# KiCad board Mainboard.kicad_pcb
title: EconoPET 40/8096; date: 2023-10-01; rev: A
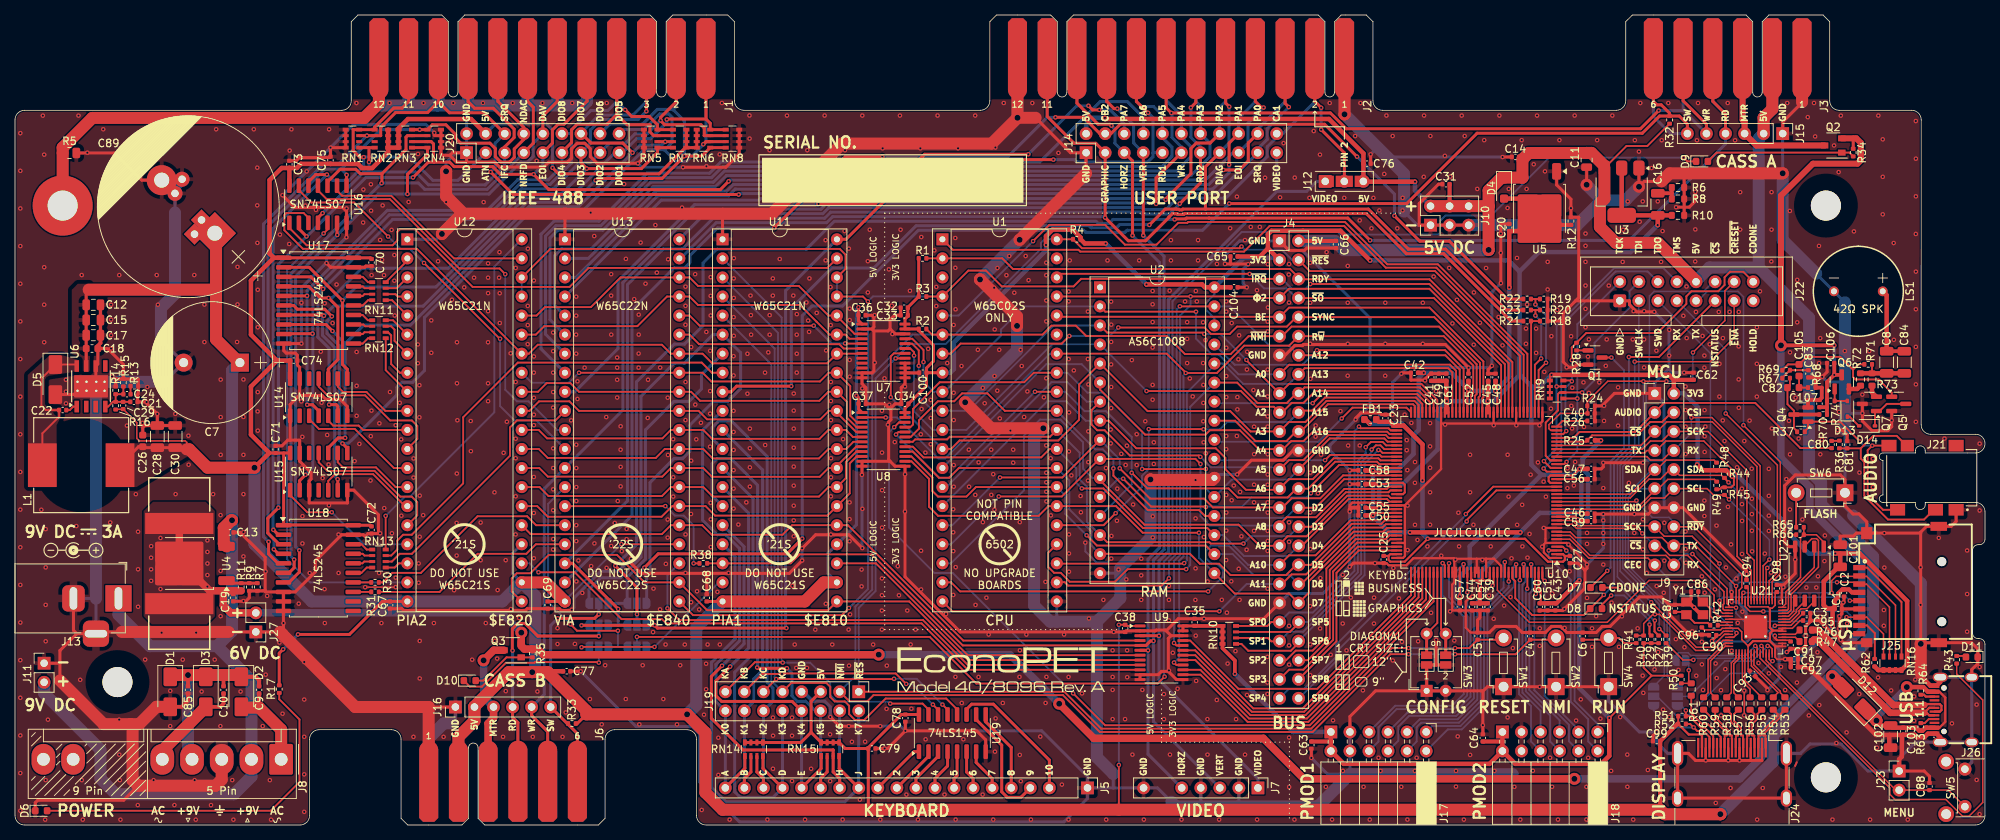
[diagram p0: board, top side]
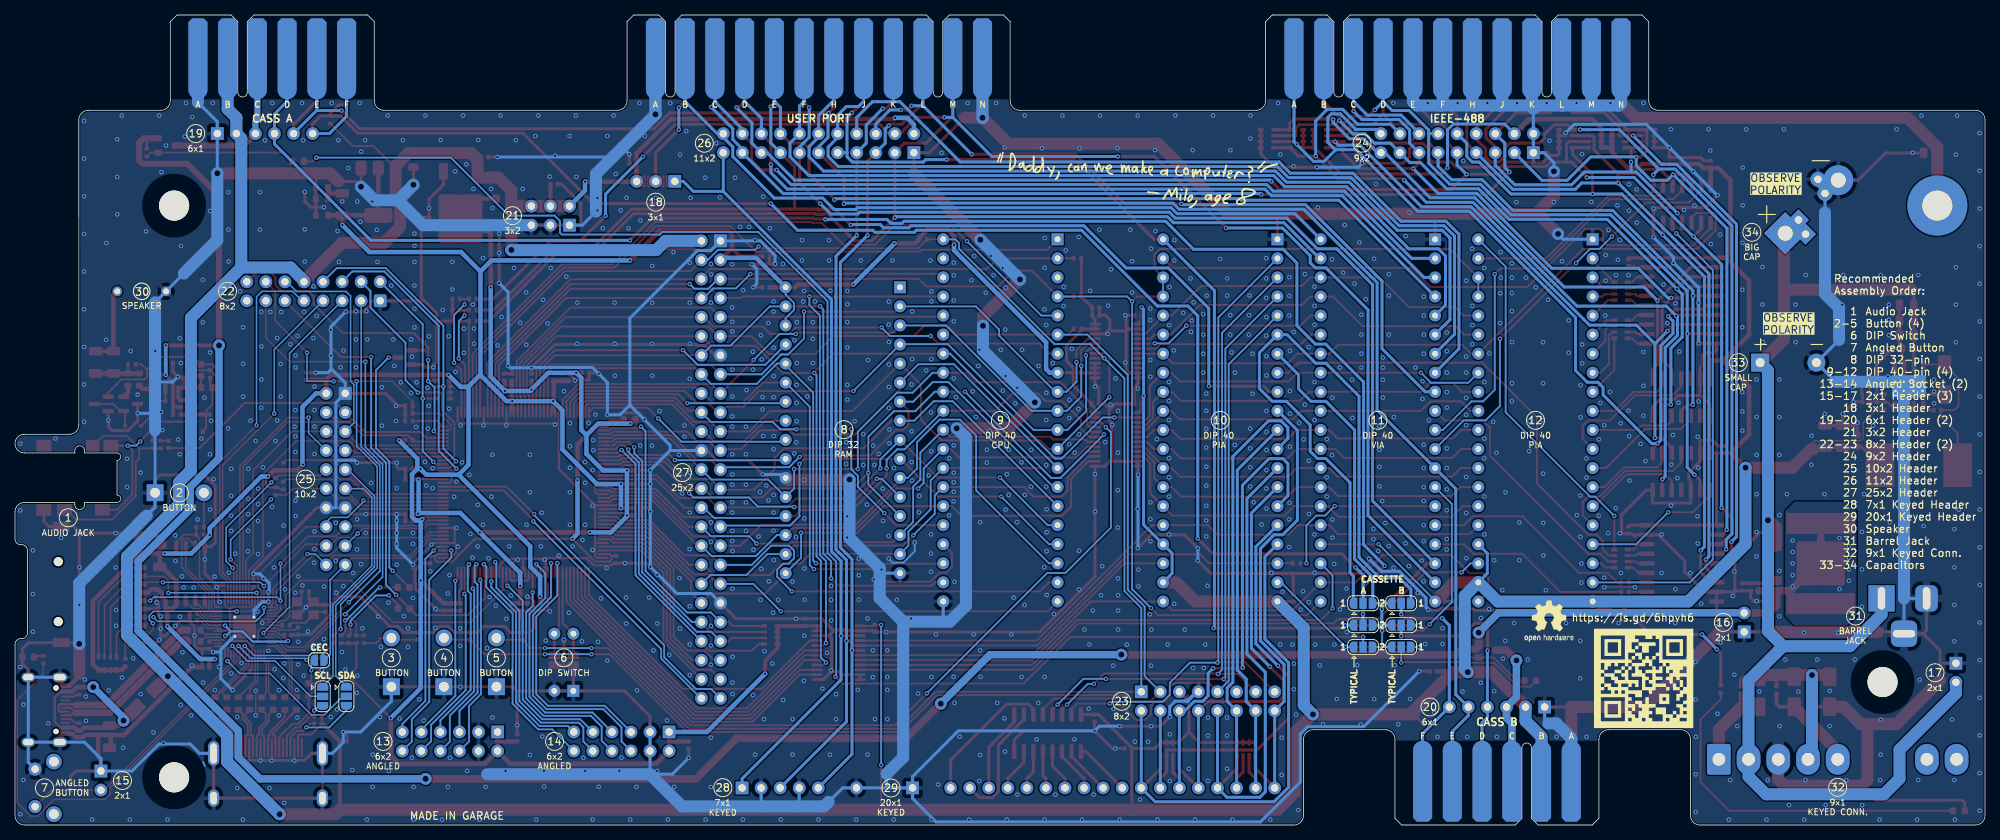
[diagram p1: board, bottom side, seen from below]

Outline 262.5 x 107.95 mm; copper layers: Top, Bottom. Coordinates in mm from the lower left corner of the outline.
Outline path: 50.17,12.7 40.52,12.7 arc(39.62,12.33) 39.25,11.43 39.25,1.27 arc(38.88,0.37) 37.98,0 1.27,0 arc(0.37,0.37) 0,1.27 0,93.98 arc(0.37,94.88) 1.27,95.25 43.54,95.25 ; 79.89,12.7 89.54,12.7 arc(90.44,12.33) 90.81,11.42 90.81,1.26 arc(91.18,0.37) 92.08,0 261.24,0 arc(262.13,0.37) 262.5,1.27 262.5,24.08 arc(262.28,24.61) 261.75,24.84 261.6,24.84 arc(261.06,25.06) 260.84,25.6 260.84,36.6 arc(261.06,37.13) 261.6,37.36 261.74,37.36 arc(262.28,37.58) 262.5,38.12 262.5,41.73 arc(262.13,42.62) 261.25,42.98 260.15,42.98 ; 128.63,95.25 97.13,95.25 ; 213.36,95.25 182.22,95.25 ; 243.08,95.25 252.73,95.25 arc(253.63,94.88) 254,93.98 253.99,53.34 arc(254.36,52.44) 255.26,52.07 261.26,52.07 arc(262.5,50.83) 261.26,49.58 260.15,49.58
Stack: Top 0.035mm / dielectric 0.48mm FR4 er 4.5 / Bottom 0.035mm

## Placement (name value [footprint] x y rotation side)
C1  100n  [C_0402_1005Metric]  242.95 28.8 0 top
C2  100n  [C_0402_1005Metric]  243.72 30.92 270 top
C3  100n  [C_0402_1005Metric]  238.74 28.22 0 top
C4  DNP  [C_0402_1005Metric]  201.89 25.17 90 top  (not fitted)
C5  DNP  [C_0402_1005Metric]  194.89 25.17 90 top  (not fitted)
C6  DNP  [C_0402_1005Metric]  208.89 25.17 90 top  (not fitted)
C7  11000u  [CP_Radial_D16.0mm_P7.50mm]  29.97 61.62 180 top  (not fitted)
C8  47u 10V  [C_1206_3216Metric]  249.39 61.67 90 top
C9  22n  [C_0402_1005Metric]  32.52 18.01 90 top
C10  22n  [C_0402_1005Metric]  27.79 18.01 270 top
C11  22u  [C_0805_2012Metric]  209.42 88.62 270 top
C12  22u  [C_0805_2012Metric]  10.44 69.33 0 top
C13  100n  [C_0402_1005Metric]  28.65 39 0 top
C14  100n  [C_0402_1005Metric]  199.93 89.03 0 top
C15  22u  [C_0805_2012Metric]  10.44 67.3 0 top
C16  47u 10V  [C_1206_3216Metric]  218.9 82.72 90 top
C17  22u  [C_0805_2012Metric]  10.44 65.28 0 top
C18  10u  [C_0603_1608Metric]  10.26 63.5 0 top
C19  1u  [C_0402_1005Metric]  29.09 30.29 270 top
C20  1u  [C_0402_1005Metric]  199.11 79.62 90 top
C21  150p  [C_0402_1005Metric]  15.84 56.39 180 top
C22  10n  [C_0402_1005Metric]  6.35 55.3 180 top
C23  4u7 10V  [C_0402_1005Metric]  182.6 54.21 90 top
C24  220n 16V  [C_0402_1005Metric]  14.92 57.42 180 top
C25  100n  [C_0402_1005Metric]  182.38 35.38 270 top
C26  10u  [C_0603_1608Metric]  17.02 51.19 270 top
C27  100n  [C_0402_1005Metric]  207.19 35.37 270 top
C28  47u 10V  [C_1206_3216Metric]  18.97 51.76 270 top
C29  1n  [C_0402_1005Metric]  14.41 55.91 90 top
C30  47u 10V  [C_1206_3216Metric]  21.34 51.77 270 top
C31  4u7 10V  [C_0402_1005Metric]  190.68 85.4 180 top
C32  4u7 10V  [C_0402_1005Metric]  118.49 68.94 180 top
C33  100n  [C_0402_1005Metric]  118.49 67.93 180 top
C34  100n  [C_0402_1005Metric]  118.57 56.13 180 top
C35  100n  [C_0402_1005Metric]  157.19 27.01 90 top
C36  100n  [C_0402_1005Metric]  112.87 67.93 0 top
C37  100n  [C_0402_1005Metric]  112.89 56.13 0 top
C38  100n  [C_0402_1005Metric]  147.93 26.21 270 top
C39  1u  [C_0402_1005Metric]  196.23 29.07 270 top
C40  100n  [C_0402_1005Metric]  210.02 54.85 0 top
C41  1u  [C_0402_1005Metric]  188.72 59.67 90 top
C42  1u  [C_0402_1005Metric]  186.48 60.26 180 top
C43  1u  [C_0402_1005Metric]  205.25 29.07 270 top
C44  100n  [C_0402_1005Metric]  194.16 29.07 270 top
C45  100n  [C_0402_1005Metric]  196.3 59.67 90 top
C46  100n  [C_0402_1005Metric]  210.02 41.48 0 top
C47  100n  [C_0402_1005Metric]  210.02 47.46 0 top
C48  100n  [C_0402_1005Metric]  197.28 59.67 90 top
C49  100n  [C_0402_1005Metric]  189.72 59.67 90 top
C50  100n  [C_0402_1005Metric]  179.48 41.27 180 top
C51  100n  [C_0402_1005Metric]  204.21 29.07 270 top
C52  100n  [C_0402_1005Metric]  193.67 59.67 90 top
C53  100n  [C_0402_1005Metric]  179.48 45.43 180 top
C54  10n  [C_0402_1005Metric]  195.19 29.07 270 top
C55  100n  [C_0402_1005Metric]  179.48 42.29 180 top
C56  10n  [C_0402_1005Metric]  210.02 46.09 0 top
C57  100n  [C_0402_1005Metric]  192.52 29.07 270 top
C58  10n  [C_0402_1005Metric]  179.48 47.27 180 top
C59  100n  [C_0402_1005Metric]  210.02 40.5 0 top
C60  10n  [C_0402_1005Metric]  203.17 29.07 270 top
C61  10n  [C_0402_1005Metric]  190.72 59.67 90 top
C62  4u7 10V  [C_0402_1005Metric]  223.66 59.81 90 top
C63  4u7 10V  [C_0402_1005Metric]  172.74 10.65 270 top
C64  4u7 10V  [C_0402_1005Metric]  195.59 11.61 90 top
C65  4u7 10V  [C_0402_1005Metric]  162.44 75.77 180 top
C66  4u7 10V  [C_0402_1005Metric]  176.01 77.37 270 top
C67  100n  [C_0402_1005Metric]  49.98 29.31 270 top
C68  100n  [C_0402_1005Metric]  92.18 30.27 90 top
C69  100n  [C_0402_1005Metric]  70.98 29.31 270 top
C70  100n  [C_0402_1005Metric]  47.51 74.96 270 top
C71  100n  [C_0402_1005Metric]  34.73 50.06 90 top
C72  100n  [C_0402_1005Metric]  47.51 39.32 270 top
C73  100n  [C_0402_1005Metric]  36.56 88.04 90 top
C74  100n  [C_0402_1005Metric]  37.14 61.89 0 top
C75  4u7 10V  [C_0402_1005Metric]  42.04 88.59 90 top
C76  4u7 10V  [C_0402_1005Metric]  180.16 88.14 0 top
C77  4u7 10V  [C_0402_1005Metric]  73.51 20.49 0 top
C78  100n  [C_0402_1005Metric]  118.64 14.24 270 top
C79  4u7 10V  [C_0402_1005Metric]  114.18 10.2 0 top
C80  1u  [C_0402_1005Metric]  242.06 50.71 90 top
C81  22n  [C_0402_1005Metric]  244.14 50.68 90 top
C82  68n  [C_0603_1608Metric]  236.95 58.29 0 top
C83  100n  [C_0402_1005Metric]  238.98 60.13 270 top
C84  47u 10V  [C_1206_3216Metric]  251.76 61.67 90 top
C85  22n  [C_0402_1005Metric]  23.05 18.01 90 top
C86  33p  [C_0402_1005Metric]  223.82 31.1 0 top
C87  33p  [C_0402_1005Metric]  221.19 28.87 270 top
C88  2u2 6.3V  [C_0402_1005Metric]  255.11 5.13 90 top
C89  330uF  [CP_Radial_D24.0mm_P5.00mm_P7.50mm_P10.00mm_SnapIn]  26.62 78.87 135 top
C90  100n  [C_0402_1005Metric]  226.21 25.29 180 top
C91  2u2 6.3V  [C_0402_1005Metric]  236.6 23.97 270 top
C92  2u2 6.3V  [C_0402_1005Metric]  237.09 21.05 0 top
C93  100n  [C_0402_1005Metric]  231.52 20.18 315 top
C94  100n  [C_0402_1005Metric]  230.72 32.18 90 top
C95  100n  [C_0402_1005Metric]  238.74 27.25 0 top
C96  100n  [C_0402_1005Metric]  224.77 25.85 270 top
C97  100n  [C_0402_1005Metric]  237.09 22.1 0 top
C98  100n  [C_0402_1005Metric]  234.77 31.52 90 top
C99  4u7 10V  [C_0402_1005Metric]  218.74 11.18 180 top
C100  100n  [C_0402_1005Metric]  120.97 60.28 180 top
C101  47u 10V  [C_1206_3216Metric]  243.21 35.87 90 top
C102  47u 10V  [C_1206_3216Metric]  249.93 11.78 270 top
C103  1u  [C_0402_1005Metric]  251.59 12.49 270 top
C104  100n  [C_0402_1005Metric]  162.44 71.66 0 top
C105  47n  [C_0603_1608Metric]  237.73 60.61 270 top
C106  100n  [C_0402_1005Metric]  241.94 61.55 180 top
C107  100n  [C_0402_1005Metric]  240.45 56.16 90 top
D1  SS54  [D_SMA]  20.69 17.75 270 top
D2  SS54  [D_SMA]  30.16 17.75 270 top
D3  SS54  [D_SMA]  25.42 17.75 270 top
D4  SM4007  [D_SOD-123F]  198.42 84.88 270 top
D5  SS54  [D_SMA]  5.38 59.37 270 top
D6  LED_RED  [LED_0603_1608Metric]  3.49 1.9 0 top
D7  LED_GRN  [LED_0603_1608Metric]  210.73 31.64 0 top
D8  LED_RED  [LED_0603_1608Metric]  210.68 28.84 0 top
D9  LED_RED  [LED_0603_1608Metric]  224.79 88.44 0 top
D10  LED_RED  [LED_0603_1608Metric]  60.6 19.24 0 top
D11  LED_GRN  [LED_0603_1608Metric]  260.75 22.38 180 top
D12  SS54  [D_SMA]  245.08 16.88 135 top
D13  1N4148WS  [D_SOD-323]  244.16 55.46 90 top
D14  1N4148WS  [D_SOD-323]  246.79 53.19 180 top
FB1  600 200ma  [L_0603_1608Metric]  180.6 54.04 180 top
H1  MountingHole_Pad  [MountingHole_4mm_Pad]  6.35 82.55 0 top
H2  MountingHole  [PET_MountingHole_4mm]  241.3 6.35 0 top
H3  MountingHole  [PET_MountingHole_4mm]  241.3 82.55 0 top
H4  MountingHole  [PET_MountingHole_4mm]  13.65 19.05 0 top
HS1  Heatsink_Pad  [V1100SMDBL_or_573100D00000G]  21.89 34.84 90 top  (not fitted)
J1  IEEE_EDGE  [CBM_PET_IEEE_EDGE_CON_24P]  48.49 96.52 0 top
J2  USER_EDGE  [CBM_PET_USER_EDGE_CON_24P]  133.58 96.52 0 top
J3  CASS_A_EDGE  [CBM_PET_CASS_EDGE_CON_12P]  218.31 96.52 0 top
J4  BUS_EXPANSION  [PinHeader_2x25_P2.54mm_Vertical]  168.5 77.85 0 top
J5  KEYBOARD  [CBM_PET_KEYBOARD_KEYED_20P]  142.91 4.94 270 top
J6  CASS_B_EDGE  [CBM_PET_CASS_EDGE_CON_12P]  74.94 11.43 180 top
J7  VIDEO  [PET_Video]  165.62 4.94 270 top
J8  PET POWER  [PET_POWER_Molex_KK-396_A-41791-0009_1x09_P3.96mm_Vertical]  35.47 8.75 180 top
J9  FPGA_MCU  [PinHeader_2x10_P2.54mm_Vertical]  218.5 57.53 0 top
J10  5V PWR  [PinHeader_2x03_P2.54mm_Vertical]  188.62 79.94 90 top
J11  9V POWER  [PinHeader_1x02_P2.54mm_Vertical]  3.88 21.56 0 top
J12  VIDEO_OR_5V  [PinHeader_1x03_P2.54mm_Vertical_or_SolderJumper]  174.59 85.78 90 top
J13  9V POWER JACK  [BarrelJack_Horizontal]  13.79 30.2 0 top
J14  USER_HEADER  [PinHeader_2x11_P2.54mm_Vertical]  142.72 89.6 90 top
J15  CASS_A_HEADER  [PinHeader_1x06_P2.54mm_Vertical]  235.54 92.15 270 top
J16  CASS_B_HEADER  [PinHeader_1x06_P2.54mm_Vertical]  58.68 15.72 90 top
J17  PMOD1  [PMOD_Socket_2x06_P2.54mm_Horizontal]  188.04 12.4 270 top
J18  PMOD2  [PMOD_Socket_2x06_P2.54mm_Horizontal]  210.9 12.4 270 top
J19  KEYBOARD_EX  [PinHeader_2x08_P2.54mm_Vertical]  112.43 17.76 270 top
J20  IEEE_HEADER  [PinHeader_2x09_P2.54mm_Vertical]  60.17 89.6 90 top
J21  AUDIO  [CUI_SJ-43504-SMT-TR]  258.65 42.11 90 top
J22  PROG  [IDC-Header_2x08_P2.54mm_Vertical]  213.84 69.86 90 top
J23  MENU_HDR  [PinHeader_1x02_P2.54mm_Vertical]  251.06 7.19 0 top
J24  NOT_HDMI_A  [HDMI_A_Molex_208658-1001_Horizontal]  228.79 7.02 270 top
J25  MICRO_SD  [TF-SMD_TF-PUSH]  253.24 32.17 90 top
J26  USB1.1_HOST_TYPE_C  [USB-C_SMD-TYPE-C-31-M-12]  259.55 15.37 90 top
J27  6V POWER  [PinHeader_1x02_P2.54mm_Vertical]  32.09 25.73 180 top
JP1  CASS A ~{SWITCH}  [SolderJumper-3_P1.3mm_Open_RoundedPad1.0x1.5mm]  82.87 29.54 180 bottom
JP2  CASS B ~{SWITCH}  [SolderJumper-3_P1.3mm_Open_RoundedPad1.0x1.5mm]  77.79 29.54 180 bottom
JP3  CASS A READ  [SolderJumper-3_P1.3mm_Open_RoundedPad1.0x1.5mm]  82.87 26.63 180 bottom
JP4  CASS B READ  [SolderJumper-3_P1.3mm_Open_RoundedPad1.0x1.5mm]  77.79 26.63 180 bottom
JP5  CASS A ~{MOTOR}  [SolderJumper-3_P1.3mm_Open_RoundedPad1.0x1.5mm]  82.87 23.71 180 bottom
JP6  CASS B ~{MOTOR}  [SolderJumper-3_P1.3mm_Open_RoundedPad1.0x1.5mm]  77.79 23.71 180 bottom
JP7  DVI_CEC  [SolderJumper-2_P1.3mm_Open_RoundedPad1.0x1.5mm]  221.97 21.95 0 bottom
JP8  DVI_SDA  [SolderJumper-3_P1.3mm_Open_RoundedPad1.0x1.5mm]  218.35 17.16 270 bottom
JP9  DVI_SCL  [SolderJumper-3_P1.3mm_Open_RoundedPad1.0x1.5mm]  221.51 17.15 270 bottom
L1  22uH  [IND-SMD_L12.5-W12.5]  8.82 47.95 180 top
LS1  42Ω SPK  [AT1220TT9R]  248.87 71.12 270 top
Q1  MMBT3904  [SOT-23]  210.54 62.3 0 top
Q2  AO3401A  [SOT-23_L2.9-W1.3-P1.90-LS2.4-BR]  242.27 90.56 0 top
Q3  AO3401A  [SOT-23_L2.9-W1.3-P1.90-LS2.4-BR]  66.3 23.29 0 top
Q4  SS8050  [SOT-23]  237.97 54.7 180 top
Q5  SS8050  [SOT-23]  251.01 56.12 0 top
Q6  SS8050  [SOT-23]  243.42 59.05 90 top
Q7  SS8550  [SOT-23]  247.1 56.12 180 top
R1  4k7  [R_0402_1005Metric]  120.93 75.52 180 top
R2  4k7  [R_0402_1005Metric]  120.93 66.1 0 top
R3  4k7  [R_0402_1005Metric]  120.93 70.43 0 top
R4  4k7  [R_0402_1005Metric]  141.49 78.06 180 top
R5  68  [R_0805_2012Metric]  7.26 89.56 0 top
R6  0  [R_0603_1608Metric]  221.59 84.96 180 top
R7  1k5  [R_0402_1005Metric]  32.29 31.72 270 top
R8  0  [R_0603_1608Metric]  221.59 83.44 180 top
R9  5k1  [R_0402_1005Metric]  31.22 31.72 270 top
R10  330  [R_0603_1608Metric]  221.59 81.25 0 top
R11  300  [R_0402_1005Metric]  30.14 31.72 90 top
R12  120  [R_0402_1005Metric]  207.33 80.49 90 top
R13  220  [R_0402_1005Metric]  15.91 58.49 0 top
R14  10k  [R_0402_1005Metric]  13.41 57.93 90 top
R15  4k7  [R_0402_1005Metric]  14.44 58.95 90 top
R16  10k  [R_0402_1005Metric]  13.41 55.88 90 top
R17  1k5  [R_0402_1005Metric]  35.21 18.11 270 top
R18  10k  [R_0402_1005Metric]  203.71 67.16 0 top
R19  10k  [R_0402_1005Metric]  203.71 70.1 0 top
R20  10k  [R_0402_1005Metric]  203.71 68.63 0 top
R21  5k6  [R_0402_1005Metric]  201.49 67.16 180 top
R22  5k6  [R_0402_1005Metric]  201.49 70.1 180 top
R23  5k6  [R_0402_1005Metric]  201.49 68.63 180 top
R24  100k  [R_0402_1005Metric]  210.02 55.86 0 top
R25  10k  [R_0402_1005Metric]  210.02 51.28 0 top
R26  12k  [R_0402_1005Metric]  210.02 53.85 180 top
R27  1k  [R_0402_1005Metric]  219.02 24.74 270 top
R28  100k  [R_0402_1005Metric]  208.08 63.76 90 top
R29  1k  [R_0402_1005Metric]  218.02 24.74 270 top
R30  470  [R_0402_1005Metric]  47.98 32.33 0 top
R31  470  [R_0402_1005Metric]  47.98 31.06 0 top
R32  10k  [R_0402_1005Metric]  220.47 93.97 90 top
R33  10k  [R_0402_1005Metric]  74.21 13.52 180 top
R34  1k5  [R_0402_1005Metric]  244.94 89.61 270 top
R35  1k5  [R_0402_1005Metric]  68.94 22.85 270 top
R36  12k  [R_0402_1005Metric]  243.1 50.71 270 top
R37  22k  [R_0402_1005Metric]  237.97 52.4 180 top
R38  470  [R_0402_1005Metric]  91.72 34.87 0 top
R39  10k  [R_0402_1005Metric]  220.02 24.74 90 top
R40  4k7  [R_0402_1005Metric]  217.02 24.74 90 top
R41  1k  [R_0402_1005Metric]  216.02 24.74 90 top
R42  1k  [R_0402_1005Metric]  226.39 26.62 0 top
R43  1k  [R_0402_1005Metric]  258.73 22.02 90 top
R44  2k2  [R_0402_1005Metric]  227.79 46.77 270 top
R45  2k2  [R_0402_1005Metric]  227.79 44.49 270 top
R46  27  [R_0603_1608Metric]  238.62 25.98 0 top
R47  27  [R_0603_1608Metric]  238.61 24.45 0 top
R48  2k2  [R_0402_1005Metric]  226.73 47.79 90 top
R49  2k2  [R_0402_1005Metric]  226.75 45.25 90 top
R50  2k2  [R_0402_1005Metric]  222.03 19.39 270 top
R51  2k2  [R_0402_1005Metric]  222.13 14.5 0 top
R52  2k2  [R_0402_1005Metric]  222.13 13.46 0 top
R53  270  [R_0603_1608Metric]  235.84 16.19 270 top
R54  270  [R_0603_1608Metric]  234.29 16.19 270 top
R55  270  [R_0603_1608Metric]  232.75 16.19 270 top
R56  270  [R_0603_1608Metric]  231.2 16.19 270 top
R57  270  [R_0603_1608Metric]  229.64 16.19 270 top
R58  270  [R_0603_1608Metric]  228.09 16.19 270 top
R59  270  [R_0603_1608Metric]  226.55 16.18 270 top
R60  270  [R_0603_1608Metric]  225 16.19 270 top
R61  270  [R_0603_1608Metric]  223.36 18.05 270 top
R62  10k  [R_0402_1005Metric]  247.8 21.62 90 top
R63  56k  [R_0402_1005Metric]  253.95 13.07 90 top
R64  56k  [R_0402_1005Metric]  253.95 17.87 270 top
R65  1k  [R_0402_1005Metric]  237.85 39.68 0 top
R66  10k  [R_0402_1005Metric]  237.85 38.68 0 top
R67  1k5  [R_0402_1005Metric]  236 59.55 180 top
R68  680  [R_0402_1005Metric]  239.43 58.29 180 top
R69  1k5  [R_0402_1005Metric]  236 60.61 180 top
R70  10k  [R_0402_1005Metric]  240.94 54.7 180 top
R71  100k  [R_0402_1005Metric]  246.94 61.39 180 top
R72  1  [R_0603_1608Metric]  245.91 59.37 90 top
R73  1  [R_0603_1608Metric]  247.44 59.37 270 top
R74  1k  [R_0402_1005Metric]  241.96 56.51 0 top
RN1  10kx4  [R_Array_Convex_4x0603]  44.96 91.47 0 top
RN2  4k7x4  [R_Array_Convex_4x0603]  48.82 91.47 0 top
RN3  4k7x4  [R_Array_Convex_4x0603]  52 91.47 180 top
RN4  10kx4  [R_Array_Convex_4x0603]  55.86 91.47 180 top
RN5  10kx4  [R_Array_Convex_4x0603]  84.71 91.47 0 top
RN6  4k7x4  [R_Array_Convex_4x0603]  91.74 91.47 180 top
RN7  4k7x4  [R_Array_Convex_4x0603]  88.57 91.47 0 top
RN8  10kx4  [R_Array_Convex_4x0603]  95.6 91.47 180 top
RN9  10kx4  [R_Array_Convex_4x0603]  205.42 58.04 180 top
RN10  10kx4  [R_Array_Convex_4x0603]  161.8 25.33 180 top
RN11  470x4  [R_Array_Convex_4x0603]  48.5 71.14 0 top
RN12  470x4  [R_Array_Convex_4x0603]  48.5 66.07 0 top
RN13  470x4  [R_Array_Convex_4x0603]  48.5 35.51 0 top
RN14  10kx4  [R_Array_Convex_4x0603]  98.46 10.1 90 top
RN15  10kx4  [R_Array_Convex_4x0603]  108.62 10.1 90 top
RN16  10kx4  [R_Array_Convex_4x0603]  250.18 21.55 270 top
SW1  RESET  [SW_PUSH_1P1T_6x3.5mm_H4.3_APEM_MJTP1243]  198.35 18.43 90 top
SW2  NMI  [SW_PUSH_1P1T_6x3.5mm_H4.3_APEM_MJTP1243]  205.35 18.43 90 top
SW3  CONFIG  [SW_DIP_SPSTx02_Slide_6.7x6.64mm_W7.62mm_P2.54mm_LowProfile_or_SolderJumper]  188.1 17.88 90 top
SW4  RUN  [SW_PUSH_1P1T_6x3.5mm_H4.3_APEM_MJTP1243]  212.35 18.43 90 top
SW5  MENU_BTN  [APEM_MJTP1117]  259.82 7.45 270 top
SW6  BOOTSEL  [SW_PUSH_1P1T_6x3.5mm_H4.3_APEM_MJTP1243]  243.84 44.28 180 top
SYM1  SYM_Arrow_Small  [Symbol_Barrel_Polarity]  7.79 36.69 0 top
SYM2  SYM_Arrow_Small  [EconoPET_Milo]  112.59 85.32 180 bottom
SYM3  SYM_Arrow_Small  [EconoPET_Model]  131.57 20.57 0 top
SYM4  SYM_Arrow_Small  [OSHW-Logo2_7.3x6mm_SilkScreen]  58.09 27.16 180 bottom
SYM5  SYM_Arrow_Small  [EconoPET_QR]  45.48 19.54 180 bottom
U1  W65C02S  [DIP-40_W15.24mm_Socket]  123.58 78.06 0 top
U2  AS6C1008  [DIP-32_W15.24mm_Socket]  144.58 71.66 0 top
U3  TLV1117LV33  [SOT-223-3_TabPin2]  214.09 84.4 270 top
U4  LM317AG-TN3-R  [TO-252-2]  23.15 34.85 180 top
U5  LM317AG-TN3-R  [TO-252-2]  203.14 82.08 270 top
U6  TPS5430DDA  [TI_SO-PowerPAD-8_ThermalVias]  10.13 58.47 90 top
U7  SN74LVC4245APWR  [TSSOP-24_4.4x7.8mm_P0.65mm]  115.73 63.18 0 top
U8  SN74LVC4245APWR  [TSSOP-24_4.4x7.8mm_P0.65mm]  115.73 51.39 0 top
U9  SN74LVC4245APWR  [TSSOP-24_4.4x7.8mm_P0.65mm]  152.77 22.96 0 top
U10  T20Q144C3  [LQFP-144_20x20mm_P0.5mm]  194.77 44.34 180 top
U11  W65C21N  [DIP-40_W15.24mm_Socket]  94.28 78.05 0 top
U12  W65C21N  [DIP-40_W15.24mm_Socket]  52.28 78.05 0 top
U13  W65C22N  [DIP-40_W15.24mm_Socket]  73.28 78.05 0 top
U14  SN74LS07  [SOIC-14_3.9x8.7mm_P1.27mm]  40.47 57.01 90 top
U15  SN74LS07  [SOIC-14_3.9x8.7mm_P1.27mm]  40.47 47.1 90 top
U16  SN74LS07  [SOIC-14_3.9x8.7mm_P1.27mm]  40.37 82.73 90 top
U17  74LS245  [SOIC-20W_7.5x12.8mm_P1.27mm]  40.47 69.88 0 top
U18  74LS245  [SOIC-20W_7.5x12.8mm_P1.27mm]  40.42 34.24 0 top
U19  74LS145  [SOIC-16_3.9x9.9mm_P1.27mm]  124.9 12.25 90 top
U21  RP2040  [LQFN-56_L7.0-W7.0-P0.4-EP]  231.94 26.41 270 top
U22  W25Q128JVS  [SOIC-8_5.23x5.23mm_P1.27mm]  239.11 33.5 270 top
Y1  12 MHz  [Crystal_SMD_3225-4Pin_3.2x2.5mm]  223.82 28.87 180 top

## Library data of the parts
C1-C3 C13 C14 C25 C27 C33-C38 C40 C44-C53 C55 C57 C59 C67-C74 C78 C83 C90 C93-C98 C100 C104 C106 C107 = -: Datasheet: https://product.samsungsem.com/mlcc/CL05B104KB54PN.do; LCSC: C307331; ki_fp_filters: C_*
C4-C6 = -: ki_fp_filters: C_*
C7 = -: Datasheet: https://www.chemi-con.co.jp/products/relatedfiles/capacitor/catalog/LBVLL-e.PDF; MOUSER: 661-BV250L113AL40S; ki_fp_filters: CP_*
C8 C84 C101 C102 = -: Datasheet: https://product.samsungsem.com/mlcc/CL31A476MPHNNN.do; LCSC: C96123; ki_fp_filters: C_*
C9 C10 C81 C85 = -: Datasheet: https://www.lcsc.com/datasheet/lcsc_datasheet_2304140030_FH--Guangdong-Fenghua-Advanced-Tech-0402B223K500NT_C1532.pdf; LCSC: C1532; ki_fp_filters: C_*
C11 C12 C15 C17 = -: Datasheet: https://product.samsungsem.com/mlcc/CL21A226MAQNNN.do; LCSC: C45783; ki_fp_filters: C_*
C16 C28 C30 = -: Datasheet: https://product.samsungsem.com/mlcc/CL31A476MPHNNN.do; Description: Unpolarized capacitor, small symbol; LCSC: C96123; ki_fp_filters: C_*
C18 = -: Datasheet: https://product.samsungsem.com/mlcc/CL10A106MA8NRN.do; LCSC: C96446; ki_fp_filters: C_*
C19 C20 C39 C41-C43 C80 C103 = -: Datasheet: https://product.samsungsem.com/mlcc/CL05A105KA5NQN.do; LCSC: C52923; ki_fp_filters: C_*
C21 = -: Datasheet: https://www.lcsc.com/datasheet/lcsc_datasheet_2304140030_FH--Guangdong-Fenghua-Advanced-Tech-0402B151K500NT_C1527.pdf; Description: Unpolarized capacitor, small symbol; LCSC: C1527; ki_fp_filters: C_*
C22 = -: Datasheet: https://product.samsungsem.com/mlcc/CL05B103KB5NNN.do; Description: Unpolarized capacitor, small symbol; LCSC: C15195; ki_fp_filters: C_*
C23 C31 C32 C62-C66 C75-C77 C79 C99 = -: Datasheet: https://product.samsungsem.com/mlcc/CL05A475MP5NRN.do; LCSC: C23733; ki_fp_filters: C_*
C24 = -: Datasheet: https://product.samsungsem.com/mlcc/CL05B224KO5NNN.do; Description: Unpolarized capacitor, small symbol; LCSC: C16772; ki_fp_filters: C_*
C26 = -: Datasheet: https://product.samsungsem.com/mlcc/CL10A106MA8NRN.do; Description: Unpolarized capacitor, small symbol; LCSC: C96446; ki_fp_filters: C_*
C29 = -: Datasheet: https://www.lcsc.com/datasheet/lcsc_datasheet_2304140030_FH--Guangdong-Fenghua-Advanced-Tech-0402B102K500NT_C1523.pdf; Description: Unpolarized capacitor, small symbol; LCSC: C1523; ki_fp_filters: C_*
C54 C56 C58 C60 C61 = -: Datasheet: https://product.samsungsem.com/mlcc/CL05B103KB5NNN.do; LCSC: C15195; ki_fp_filters: C_*
C82 = -: Datasheet: https://product.samsungsem.com/mlcc/CL10B683KB8NNN.do; LCSC: C31658; ki_fp_filters: C_*
C86 C87 = -: Datasheet: https://www.lcsc.com/datasheet/lcsc_datasheet_2304140030_FH--Guangdong-Fenghua-Advanced-Tech-0402CG330J500NT_C1562.pdf; LCSC: C1562; ki_fp_filters: C_*
C88 C91 C92 = -: Datasheet: https://product.samsungsem.com/mlcc/CL05A225MQ5NSN.do; LCSC: C12530; ki_fp_filters: C_*
C89 = -: Datasheet: https://industrial.panasonic.com/cdbs/www-data/pdf/RDF0000/ABA0000C1018.pdf; Description: 330uF 35V low-ESR capacitor; MOUSER: 667-EEU-FM1V331; ki_fp_filters: CP_*
C105 = -: Datasheet: https://product.samsungsem.com/mlcc/CL10B473KB8NNN.do; LCSC: C1622; ki_fp_filters: C_*
D1-D3 D12 = -: Datasheet: https://www.lcsc.com/datasheet/lcsc_datasheet_2407101107_MDD-Microdiode-Semiconductor-SS54_C22452.pdf; LCSC: C22452; ki_fp_filters: TO-???* *_Diode_* *SingleDiode* D_*
D4 = -: Datasheet: https://www.lcsc.com/datasheet/lcsc_datasheet_2407101127_MDD-Microdiode-Semiconductor-SM4007PL_C64898.pdf; Description: 1000V 1A General Purpose Rectifier Diode, MELF; LCSC: C64898; Sim.Device: D; Sim.Pins: 1=K 2=A; ki_fp_filters: D*MELF*
D5 = -: Datasheet: https://www.lcsc.com/datasheet/lcsc_datasheet_2407101107_MDD-Microdiode-Semiconductor-SS54_C22452.pdf; Description: Schottky diode, small symbol; LCSC: C22452; ki_fp_filters: TO-???* *_Diode_* *SingleDiode* D_*
D6 D8-D10 = -: Datasheet: https://jlcpcb.com/api/file/downloadByFileSystemAccessId/8550723991833485312; LCSC: C2286; ki_fp_filters: LED* LED_SMD:* LED_THT:*
D7 D11 = -: Datasheet: https://wmsc.lcsc.com/wmsc/upload/file/pdf/v2/lcsc/2207051802_Everlight-Elec-19-217-GHC-YR1S2-6T_C2986059.pdf; LCSC: C2986059; ki_fp_filters: LED* LED_SMD:* LED_THT:*